# Altium PCB EPS Subsystem.PcbDoc
Units mil, origin at the board's own origin, x right, y up, seen from the top; angles counter-clockwise.
Board outline 3757.87 x 3555.12 mil, 4 copper layers (Top Layer, Ground, Power, Bottom Layer), stack 64.6 mil thick; 87 components, 75 nets, 387 pads, 0 vias.
Unrouted connection lines stored in the file: 198.
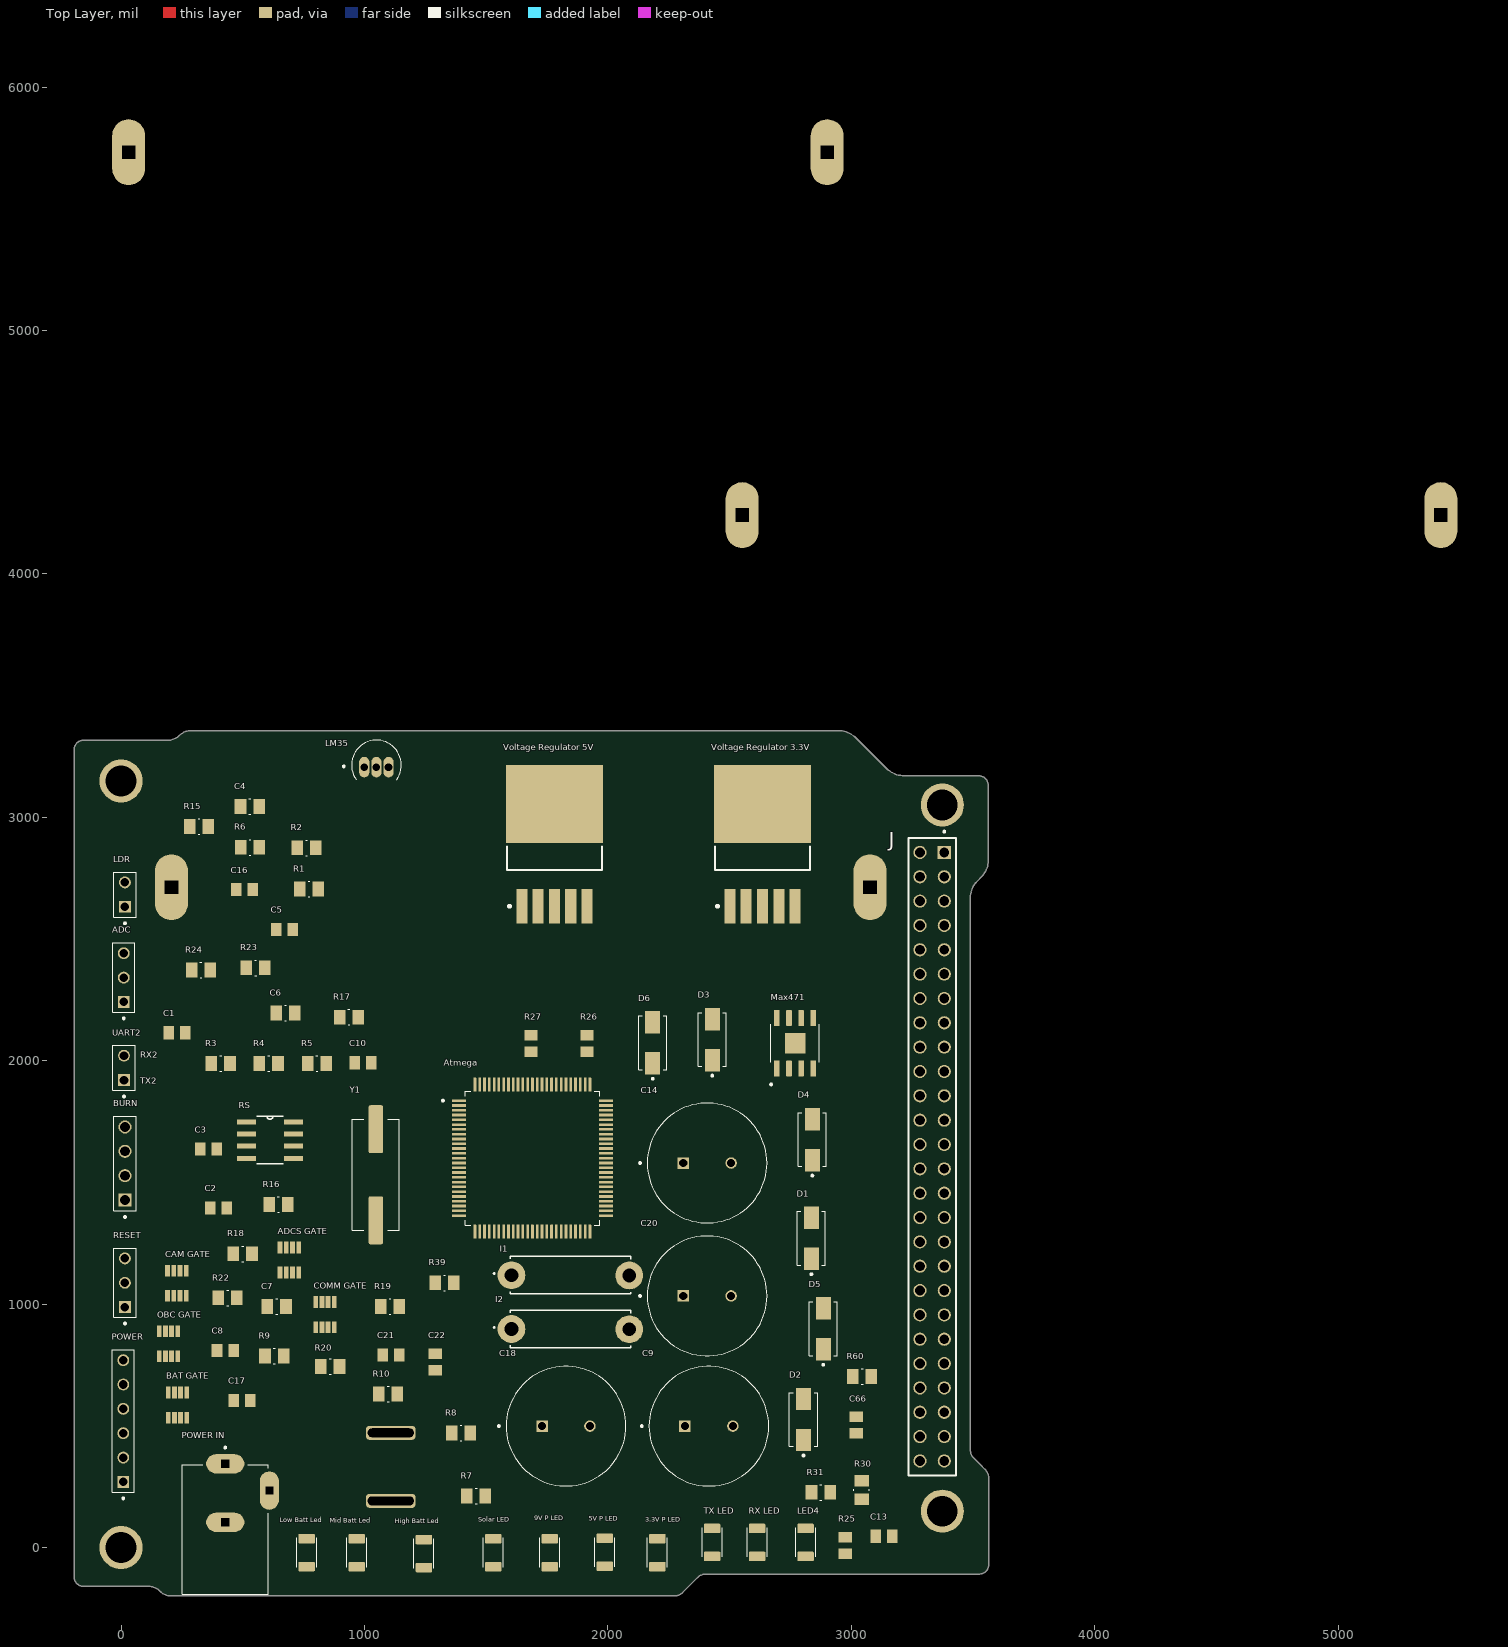
[diagram p0: Top Layer view]
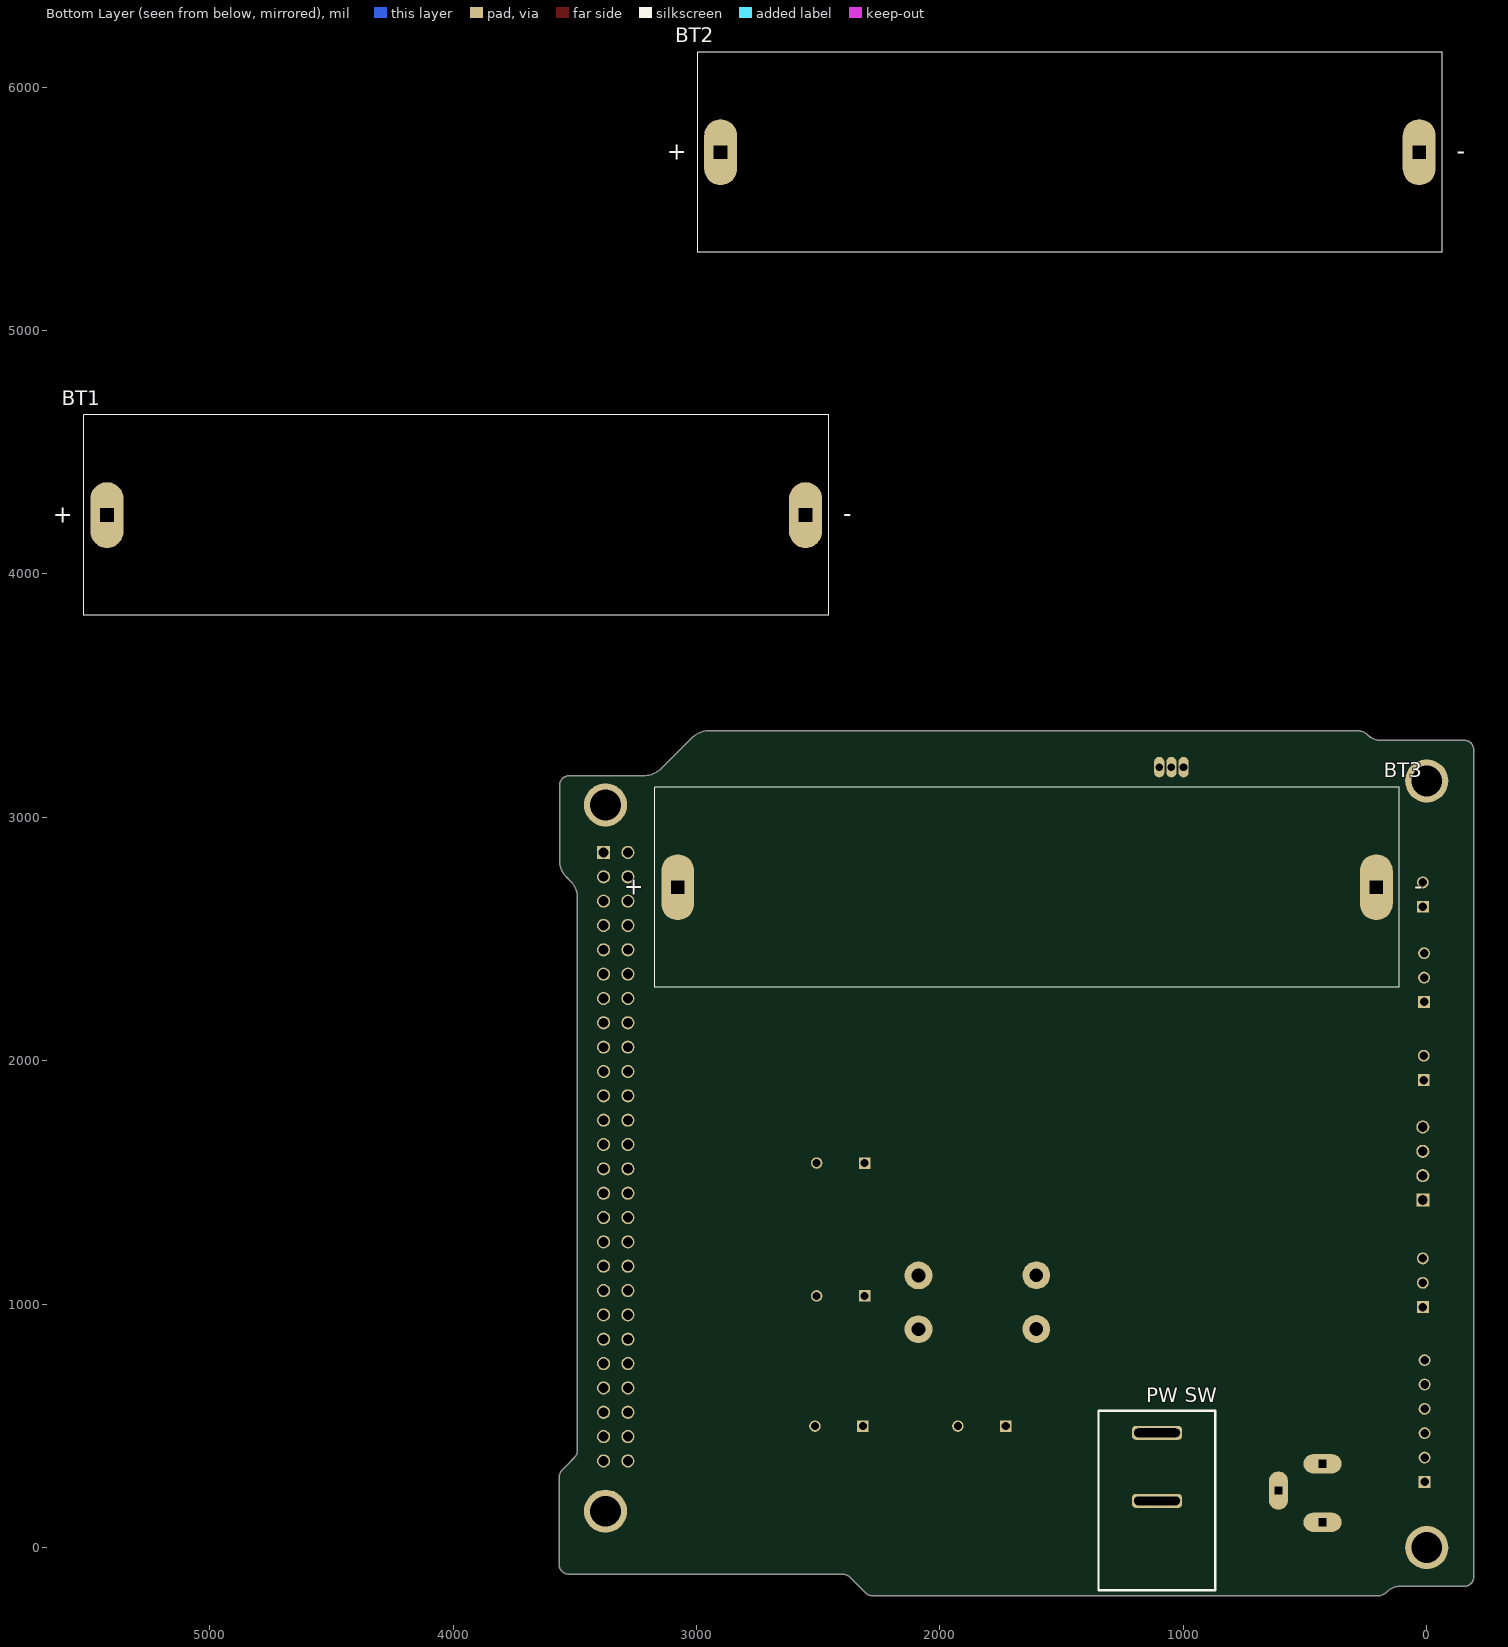
[diagram p1: Bottom Layer view, seen from below]
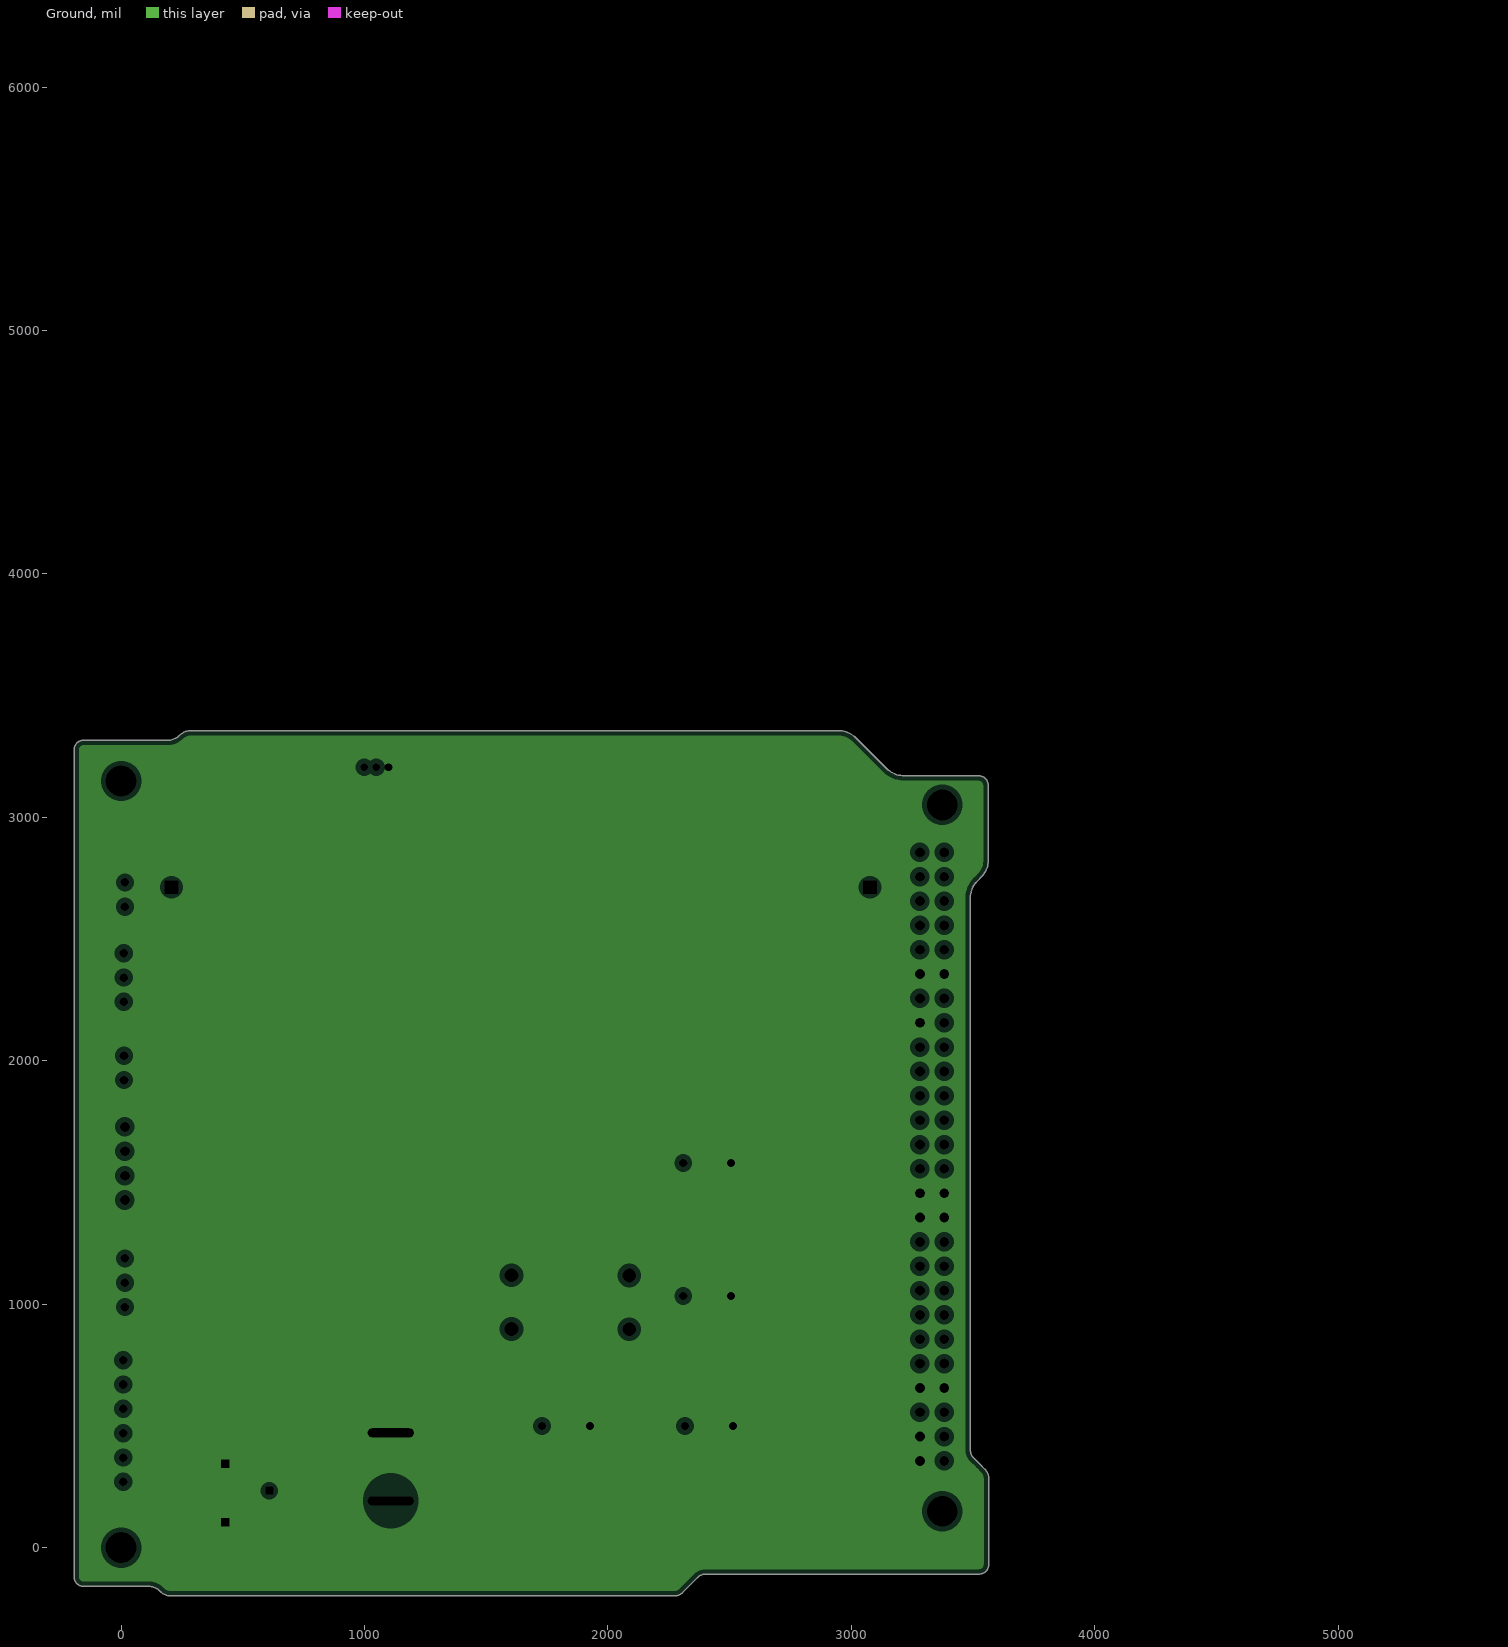
[diagram p2: Ground, clearances drawn from the general rule]
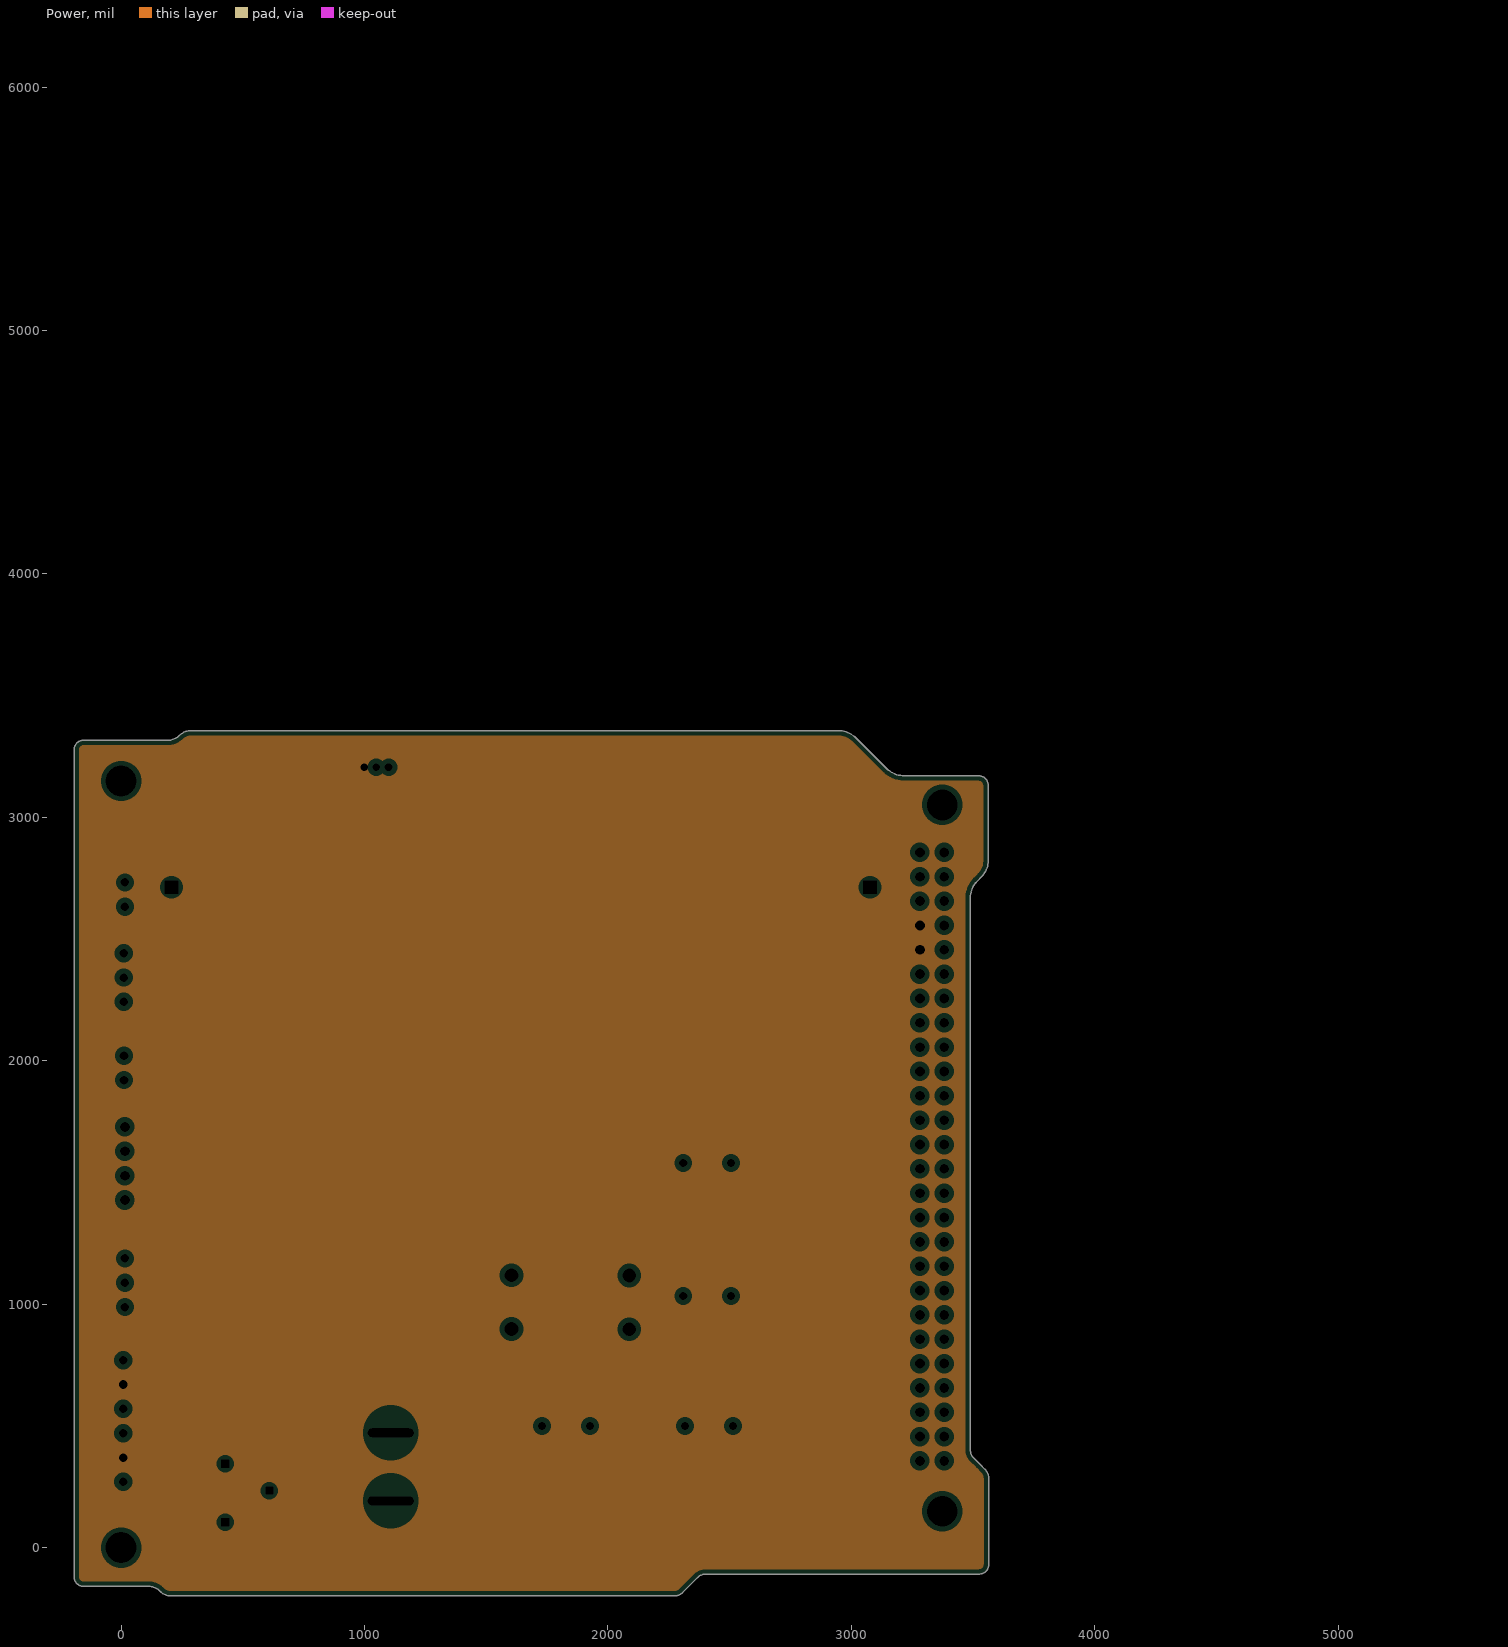
[diagram p3: Power, clearances drawn from the general rule]

## Layer stack, top to bottom
Top Solder: solder mask 0.4, Solder Resist, Dk 3.5
Top Layer: signal copper 1.4
Dielectric 1: prepreg 6.7, FR-4, Dk 4.35
Ground: plane copper 0.7, net G
Dielectric 3: core 47, FR-4, Dk 4.35
Power: plane copper 0.7, net 5V
Dielectric 2: prepreg 6.7, FR-4, Dk 4.35
Bottom Layer: signal copper 1.4
Bottom Solder: solder mask 0.4, Solder Resist, Dk 3.5

## Board outline
114.17,-159.45 cw(c114.17,-223.13) 159.2,-178.1 161.27,-180.17 ccw(c206.3,-135.14) 206.3,-198.82 2272.83,-198.82 ccw(c2272.83,-150.82) 2306.78,-184.76 2368.42,-123.11 cw(c2402.36,-157.05) 2402.36,-109.06 3525.2,-109.06 ccw(c3525.2,-69.68) 3564.57,-69.68 3564.57,285.43 ccw(c3513.72,285.43) 3549.67,321.39 3528.54,342.52 3502.04,369.03 cw(c3532.62,399.61) 3489.37,399.61 3489.37,2671.26 cw(c3582.52,2671.26) 3516.65,2737.12 3535.32,2755.79 ccw(c3469.45,2821.65) 3562.6,2821.65 3562.6,3131.5 ccw(c3523.23,3131.5) 3523.23,3170.87 3218.5,3170.87 cw(c3218.5,3276.37) 3143.9,3201.77 3020.27,3325.4 ccw(c2945.67,3250.8) 2945.67,3356.3 287.48,3356.3 ccw(c287.48,3289.09) 239.96,3336.61 cw(c192.44,3384.14) 192.44,3316.93 -153.94,3316.93 ccw(c-153.94,3277.56) -193.31,3277.56 -193.31,-120.08 ccw(c-153.94,-120.08) -153.94,-159.45

## Design rules (kind name [scope] priority, off if disabled: settings)
Clearance [All] p1: gap=7 ignorepadtopadclearanceinfootprint=FALSE except(0: Arc-Hole Track-Hole SMDPad-Hole THPad-Hole Via-Hole Fill-Hole Poly-Hole Region-Hole Text-Hole)
ComponentClearance [All] p1: gap=30 collisioncheckmode=3 verticalgap=30 showdistances=FALSE
DiffPairsRouting [All] p1: maxlimit=10 minlimit=10 mostfreqgap=10 toplayer_minwidth=15 toplayer_maxwidth=15 toplayer_prefwidth=15 bottomlayer_minwidth=15 bottomlayer_maxwidth=15 bottomlayer_prefwidth=15 substack1={0761D619-B0FF-4D42-81BD-1B94FE1A46B2} toplayer_{0761d619-b0ff-4d42-81bd-1b94fe1a46b2}_minwidth=15 toplayer_{0761d619-b0ff-4d42-81bd-1b94fe1a46b2}_maxwidth=15 toplayer_{0761d619-b0ff-4d42-81bd-1b94fe1a46b2}_prefwidth=15 bottomlayer_{0761d619-b0ff-4d42-81bd-1b94fe1a46b2}_minwidth=15 bottomlayer_{0761d619-b0ff-4d42-81bd-1b94fe1a46b2}_maxwidth=15 bottomlayer_{0761d619-b0ff-4d42-81bd-1b94fe1a46b2}_prefwidth=15 maxuncoupledlength=500
HoleSize [All] p1: absolutevalues=TRUE maxlimit=130 minlimit=1 maxpercent=80.000 minpercent=20.000
HoleToHoleClearance [All] p1: gap=6 allowstackedmicrovias=TRUE
MinimumSolderMaskSliver [All] p1: minsoldermaskwidth=3
PlaneClearance [All] p1: clearance=20
PlaneConnect [All] p1: planeconnectstyle=Relief reliefexpansion=20 reliefentries=4 reliefconductorwidth=10 reliefairgap=10
PolygonConnect [All] p1: connectstyle=Relief reliefconductorwidth=10 reliefentries=4 polygonreliefangle="90 Angle" airgapwidth=10
RoutingVias [All] p1: holewidth=12 width=24 viastyle="Through Hole" minholewidth=10 minwidth=10 maxholewidth=12 maxwidth=24
SilkToSilkClearance [All] p1: silktosilkclearance=4
SilkToSolderMaskClearance [IsPad] p1: minsilkscreentomaskgap=4 clearancetoexposedcopper=TRUE
SolderMaskExpansion [All] p1: expansion=3 istentingtop=FALSE
Width [All] p1: maxlimit=40 minlimit=10 preferedwidth=12 substack1={0761D619-B0FF-4D42-81BD-1B94FE1A46B2} toplayer_{0761d619-b0ff-4d42-81bd-1b94fe1a46b2}_minwidth=7 bottomlayer_{0761d619-b0ff-4d42-81bd-1b94fe1a46b2}_minwidth=7 minimp=50.000000 maximp=50.000000 favimp=50.000000
21 further rules are at their usual default settings.

## Components (designator, comment, footprint, x,y, rotation, side; value= is the part's Value field where it differs from the comment)
"3.3V P LED" "(1206) RED" RESC3015X65-01 2203,-20 r90 top
"5V P LED" "(1206) Blue" RESC3015X65-01 1987,-19 r90 top
"9V P LED" "(1206) white" RESC3015X65-01 1761,-20 r90 top
ADC "3 Position PinHeader 1Row" TE_3-103327-3 11,2242 r90 top
"ADCS GATE" "LTC4361" LTC4361 653.41,1129.85 r90 top
Atmega "ATMEGA2560-16AU" QFP50P1600X1600X120-100N 1690,1600 r0 top locked
"BAT GATE" "LTC4361" LTC4361 193.41,534 r90 top
BT1 "3.7V Battery Holder 1 Slot" BAT_BH-18650-PC 3987,4242 r0 bottom
BT2 "3.7V Battery Holder 1 Slot" BAT_BH-18650-PC 1466,5733 r0 bottom
BT3 "3.7V Battery Holder 1 Slot" BAT_BH-18650-PC 1642,2713 r0 bottom
BURN "4 Position PinHeader 1Row" TE_3-644456-4 16,1428 r90 top
C1 "(0805) 100nf" CAPC2012X95N-0 229,2115 r0 top
C2 "(0805) 100nf" CAPC2012X95N-0 401,1395 r0 top
C3 "(0805) 100nf" CAPC2012X95N-0 360,1637 r0 top
C4 "(1206) 22pF" CAPC3216X125N0 528,3047 r0 top
C5 "(0805) 100nF" CAPC2012X95N-0 671,2539 r0 top
C6 "(1206) 22pF" CAPC3216X125N0 675,2198 r0 top
C7 "(1206) 22pF" CAPC3216X125N0 638.69,992.18 r0 top
C8 "(0805) 100nf" CAPC2012X95N-0 428,810 r0 top
C9 "220uF" CAPPRD500W60D1250H2500 2415,499 r0 top
C10 "(0805) 1uF" CAPC2012X95N-0 993.69,1992.18 r0 top
C13 "(0805) 1uF" CAPC2012X95N-0 3134,47 r0 top
C14 "330uF" CAPPRD500W60D1250H2500 2408,1580 r0 top
C16 "(0805) 1uF" CAPC2012X95N-0 506.69,2703.18 r0 top
C17 "(0805) 1uF" CAPC2012X95N-0 496,604 r0 top
C18 "330uF" CAPPRD500W60D1250H2500 1827.8,499 r0 top
C20 "220uF" CAPPRD500W60D1250H2500 2408,1034 r0 top
C21 "(0805) 1uF" CAPC2012X95N-0 1108.69,791.18 r0 top
C22 "(0805) 1uF" CAPC2012X95N-0 1290.69,762.18 r90 top
C66 "(0805) 100nF" CAPC2012X95N-0 3020,503 r90 top
"CAM GATE" "LTC4361" LTC4361 191,1034 r90 top
"COMM GATE" "LTC4361" LTC4361 799.41,905.85 r90 top
D1 "SMD Schottky diode 5A/40V" DIOM5227X270N 2836,1271 r90 top
D2 "SMD Schottky diode 5A/40V" DIOM5227X270N 2804,526 r90 top
D3 "SMD Schottky diode 5A/40V" DIOM5227X270N 2429,2086.75 r90 top
D4 "SMD Schottky diode 5A/40V" DIOM5227X270N 2840,1676 r90 top
D5 "SMD Schottky diode 5A/40V" DIOM5227X270N 2885,899 r90 top
D6 "SMD Schottky diode 5A/40V" DIOM5227X270N 2184,2074 r90 top
"High Batt Led" "(1206) Green" RESC3015X65-01 1244,-24 r90 top
I1 "47uH" IND 1805.2,2974 r0 top
I2 "47uH" IND 1805.2,2753 r0 top
J "52 Position Elevated Socket Connector" SAMTEC_ESQ-126-39-G-D 3382.01,2855.98 r90 top locked
LDR "2 Position PinHeader" TE_2-103327-2 16.71,2681 r90 top
LED4 "(1206) Green" RESC3015X65-01 2812,22 r90 top
LM35 "Temperature Sensor" TO92127P521H735-4 1049,3237 r0 top
"Low Batt Led" "(1206) Yellow" RESC3015X65-01 762,-20 r90 top
Max471 "MAX471 IC" SOIC127P600X168-8N 2769,2072 r90 top
"Mid Batt Led" "(1206) RED" RESC3015X65-01 968.14,-20 r90 top
"OBC GATE" "LTC4361" LTC4361 156.41,786 r90 top
POWER "6 Position PinHeader 1Row" TE_6-146285-6 9,270 r90 top
"POWER IN" "Power Socket" GRAVITECH_CON-SOCJ-2155 428,104 r90 top
"PW SW" "2 PIN Rocker Switch -SPST on off 6A KCD101" "2 PIN Rocker Switch -SPST ON-OFF 6A KCD101" 868,-175.9 r90 bottom
R1 "(1206) 10k" CAPC3216X125N0 771,2707 r0 top
R2 "(1206) 510K" CAPC3216X125N0 761,2877 r0 top
R3 "(1206) 120" CAPC3216X125N0 408.69,1990.18 r0 top
R4 "(1206) 10K" CAPC3216X125N0 605.69,1990.18 r0 top
R5 "(1206) 10K" CAPC3216X125N0 803.69,1990.18 r0 top
R6 "(1206) 65" CAPC3216X125N0 529,2879 r0 top
R7 "(1206) 150" CAPC3216X125N0 1458,214 r0 top
R8 "(1206) 150" CAPC3216X125N0 1396,473 r0 top
R9 "(1206) 150" CAPC3216X125N0 628.69,789.18 r0 top
R10 "(1206) 150" CAPC3216X125N0 1096.41,632.87 r0 top
R15 "(1206) 300" CAPC3216X125N0 319.41,2963.87 r0 top
R16 "(1206) 10K" CAPC3216X125N0 645.41,1410.87 r0 top
R17 "(1206) 3.3K" CAPC3216X125N0 935.16,2180.87 r0 top
R18 "(1206) 10K" CAPC3216X125N0 499,1209 r0 top
R19 "(1206) 5.6K" CAPC3216X125N0 1104,993 r0 top
R20 "(1206) 330" CAPC3216X125N0 858.41,745.87 r0 top
R22 "(1206) 510K" CAPC3216X125N0 437,1028 r0 top
R23 "(1206) 300" CAPC3216X125N0 552,2384 r0 top
R24 "(1206) 85" CAPC3216X125N0 327,2375 r0 top
R25 "(0805) 100K" CAPC2012X95N-0 2975,9 r90 top
R26 "(0805) 1K" CAPC2012X95N-0 1913.69,2071.18 r90 top
R27 "(0805) 1K" CAPC2012X95N-0 1683.69,2071.18 r90 top
R30 "(1206) 150" CAPC3216X125N0 3041,236.02 r90 top
R31 "(1206) 85" CAPC3216X125N0 2874,229 r0 top
R39 "(1206) 10K" CAPC3216X125N0 1328.16,1089.87 r0 top
R60 "(1206)330" CAPC3216X125N0 3044,705 r0 top
RESET "3 Position PinHeader 1Row" TE_3-103327-3 16,988 r90 top
RS "MAX488ESA+" SOIC127P600X175-8N0 611.69,1674.18 r0 top
"RX LED" "(1206) Blue" RESC3015X65-01 2613,22 r90 top
"Solar LED" "(1206) White" RESC3015X65-01 1528.87,-20 r90 top
"TX LED" "(1206) Green" RESC3015X65-01 2428,22 r90 top
UART2 "2 Position PinHeader" TE_2-103327-2 12.71,1969 r90 top
"Voltage Regulator 3.3V" "Voltage Regulator" TO-263-5 2635.14,2889.65 r90 top
"Voltage Regulator 5V" "Voltage Regulator" TO-263-5 1780.55,2889.65 r90 top
Y1 "Crystal-16MHZ" XTAL1140X490X430N-0 1048,1532 r90 top

## Footprints (in the part's own frame and the unit in brackets; to place one, negate y for a bottom-side part, rotate by r counter-clockwise, add the part's x,y. Pads: shape width x height; smd on the part's side, far side on the other; paste and mask are expansions set on the pad)
"2 PIN Rocker Switch -SPST ON-OFF 6A KCD101" [mm]
  rrect50% 1.45x5.2 hole 0.9 slot 4.8 at 90 deg: 0(9.345,6.096) 1(16.445,6.096)
  silkscreen extent 0,0 18.76,12.2, body extent 2.98,0.88 18.04,11.38, height 12.51
BAT_BH-18650-PC [mm]
  oval 3.44x6.88 hole 1.38 square: N(-36.45,0) P(36.45,0)
  silkscreen extent -38.85,-10.45 38.85,10.45, body extent -38.72,-10.45 38.98,10.45, height 21.31
CAPC2012X95N-0 [mm]
  rect 1.1x1.38 smd: 1(-0.863,0) 2(0.863,0)
  body extent -1.6,-0.8 1.6,0.8, height 1.2
CAPC3216X125N0 [mm]
  rect 1.21x1.55 smd: 1(-0.95,-0.048) 2(0.987,-0.048)
  silkscreen extent -0.08,-0.86 0.12,0.76, body extent -1.58,-0.84 1.62,0.76, height 1.25
CAPPRD500W60D1250H2500 [mm]
  round 1.2 hole 0.85: N(2.5,0)
  rect 1.2x1.2 hole 0.85: P(-2.5,0)
  silkscreen extent -7.1,-6.25 6.25,6.25, body extent -6.25,-6.25 6.25,6.25, height 25
DIOM5227X270N [mm]
  rect 2.33x1.56 smd: A(2.14,0) C(-2.14,0)
  silkscreen extent -3.85,-1.48 2.8,1.48, body extent -2.6,-1.36 2.6,1.36, height 2.7
GRAVITECH_CON-SOCJ-2155 [mm]
  oval 2x4 hole 0.8 square: 1(6.1,0) 3(0,0)
  oval 4x2 hole 0.8 square: 2(3.3,-4.6)
  silkscreen extent -7.5,-4.5 7.9,4.5, body extent -7.56,-4.57 6.54,4.68, height 11.1
IND [mil]
  round 114 hole 57: 1(-201.2,-1855) 2(282.8,-1856)
  silkscreen extent -275,-1932 288,-1778, body extent -172,-1912 253,-1794, height 118
LTC4361 [mm]
  rect 1.22x0.5 smd mask+0.04: 1(0,0) 1(0,-0.65) 1(0,-1.3) 1(0,-1.95) 1(2.62,-1.95) 1(2.62,-1.3) 1(2.62,-0.65) 1(2.62,0)
  body extent -0.1,-2.42 2.7,0.48, height 0.9
QFP50P1600X1600X120-100N [mm]
  rrect25% 1.47x0.28 smd mask+0.049: 1(-7.67,6) 2(-7.67,5.5) 3(-7.67,5) 4(-7.67,4.5) 5(-7.67,4) 6(-7.67,3.5) 7(-7.67,3) 8(-7.67,2.5) 9(-7.67,2) 10(-7.67,1.5) 11(-7.67,1) 12(-7.67,0.5) 13(-7.67,0) 14(-7.67,-0.5) 15(-7.67,-1) 16(-7.67,-1.5) 17(-7.67,-2) 18(-7.67,-2.5) 19(-7.67,-3) 20(-7.67,-3.5) 21(-7.67,-4) 22(-7.67,-4.5) 23(-7.67,-5) 24(-7.67,-5.5) 25(-7.67,-6) 51(7.67,-6) 52(7.67,-5.5) 53(7.67,-5) 54(7.67,-4.5) 55(7.67,-4) 56(7.67,-3.5) 57(7.67,-3) 58(7.67,-2.5) 59(7.67,-2) 60(7.67,-1.5) 61(7.67,-1) 62(7.67,-0.5) 63(7.67,0) 64(7.67,0.5) 65(7.67,1) 66(7.67,1.5) 67(7.67,2) 68(7.67,2.5) 69(7.67,3) 70(7.67,3.5) 71(7.67,4) 72(7.67,4.5) 73(7.67,5) 74(7.67,5.5) 75(7.67,6)
  rrect25% 0.28x1.47 smd mask+0.049: 26(-6,-7.67) 27(-5.5,-7.67) 28(-5,-7.67) 29(-4.5,-7.67) 30(-4,-7.67) 31(-3.5,-7.67) 32(-3,-7.67) 33(-2.5,-7.67) 34(-2,-7.67) 35(-1.5,-7.67) 36(-1,-7.67) 37(-0.5,-7.67) 38(0,-7.67) 39(0.5,-7.67) 40(1,-7.67) 41(1.5,-7.67) 42(2,-7.67) 43(2.5,-7.67) 44(3,-7.67) 45(3.5,-7.67) 46(4,-7.67) 47(4.5,-7.67) 48(5,-7.67) 49(5.5,-7.67) 50(6,-7.67) 76(6,7.67) 77(5.5,7.67) 78(5,7.67) 79(4.5,7.67) 80(4,7.67) 81(3.5,7.67) 82(3,7.67) 83(2.5,7.67) 84(2,7.67) 85(1.5,7.67) 86(1,7.67) 87(0.5,7.67) 88(0,7.67) 89(-0.5,7.67) 90(-1,7.67) 91(-1.5,7.67) 92(-2,7.67) 93(-2.5,7.67) 94(-3,7.67) 95(-3.5,7.67) 96(-4,7.67) 97(-4.5,7.67) 98(-5,7.67) 99(-5.5,7.67) 100(-6,7.67)
  silkscreen extent -9.44,-7 7,7, body extent -8,-8 8,8, height 1.12
RESC3015X65-01 [mm]
  rrect20% 0.98x1.72 smd: 1(-1.479,-0.004) 2(1.441,-0.004)
  silkscreen extent -1.54,-1.04 1.52,1.04, body extent -1.63,-0.8 1.57,0.8, height 1.1
SAMTEC_ESQ-126-39-G-D [mm]
  rect 1.37x1.37 hole 1.02: 01(0,0)
  round 1.37 hole 1.02: 02(0,2.54) 03(-2.54,0) 04(-2.54,2.54) 05(-5.08,0) 06(-5.08,2.54) 07(-7.62,0) 08(-7.62,2.54) 09(-10.16,0) 10(-10.16,2.54) 11(-12.7,0) 12(-12.7,2.54) 13(-15.24,0) 14(-15.24,2.54) 15(-17.78,0) 16(-17.78,2.54) 17(-20.32,0) 18(-20.32,2.54) 19(-22.86,0) 20(-22.86,2.54) 21(-25.4,0) 22(-25.4,2.54) 23(-27.94,0) 24(-27.94,2.54) 25(-30.48,0) 26(-30.48,2.54) 27(-33.02,0) 28(-33.02,2.54) 29(-35.56,0) 30(-35.56,2.54) 31(-38.1,0) 32(-38.1,2.54) 33(-40.64,0) 34(-40.64,2.54) 35(-43.18,0) 36(-43.18,2.54) 37(-45.72,0) 38(-45.72,2.54) 39(-48.26,0) 40(-48.26,2.54) 41(-50.8,0) 42(-50.8,2.54) 43(-53.34,0) 44(-53.34,2.54) 45(-55.88,0) 46(-55.88,2.54) 47(-58.42,0) 48(-58.42,2.54) 49(-60.96,0) 50(-60.96,2.54) 51(-63.5,0) 52(-63.5,2.54)
  silkscreen extent -65.02,-1.2 2.27,3.75, body extent -65.15,-1.27 1.4,3.81, height 8.51
SOIC127P600X168-8N [mm]
  rrect25% 1.66x0.59 smd: 1(-2.63,1.905) 2(-2.63,0.635) 3(-2.63,-0.635) 4(-2.63,-1.905) 5(2.63,-1.905) 6(2.63,-0.635) 7(2.63,0.635) 8(2.63,1.905)
  rect 2.135x2.135 smd paste-2: 9(0,0)
  silkscreen extent -4.39,-2.52 1.99,2.59, body extent -3,-2.45 3,2.45, height 1.75
SOIC127P600X175-8N0 [mil]
  rect 78x21 smd: 1(-97,75) 2(-97,25) 3(-97,-25) 4(-97,-75) 5(97,-75) 6(97,-25) 7(97,25) 8(97,75)
  silkscreen extent -55,-98 55,98, body extent -124,-97 113,95, height 67
TE_2-103327-2 [mm]
  rect 1.24x1.24 hole 0.89: 1(-1.227,0.018)
  round 1.24 hole 0.89: 2(1.313,0.018)
  silkscreen extent -3.05,-1.15 2.38,1.19, body extent -2.32,-1.11 2.36,1.22, height 5.84
TE_3-103327-3 [mm]
  rect 1.24x1.24 hole 0.89: 1(0,0)
  round 1.24 hole 0.89: 2(2.54,0) 3(5.08,0)
  silkscreen extent -1.82,-1.17 6.15,1.17, body extent -1.31,-1.2 6.31,1.21, height 8.18
TE_3-644456-4 [mm]
  rect 1.37x1.37 hole 1.02: 1(0,0)
  round 1.37 hole 1.02: 2(2.54,0) 3(5.08,0) 4(7.62,0)
  silkscreen extent -1.87,-1.17 8.74,1.17, body extent -1.14,-1.14 8.72,1.19, height 10.03
TE_6-146285-6 [mm]
  rect 1.24x1.24 hole 0.89: 1(0,0)
  round 1.24 hole 0.89: 2(2.54,0) 3(5.08,0) 4(7.62,0) 5(10.16,0) 6(12.7,0)
  silkscreen extent -1.82,-1.17 13.77,1.17, body extent -1.07,-1.14 13.77,1.14, height 8.1
TO92127P521H735-4 [mm]
  oval 1.07x2.14 hole 0.8: 1(-1.27,-0.775) 2(0,-0.775) 3(1.27,-0.775)
  silkscreen extent -3.5,-2.08 2.6,2.04, body extent -2.4,-2.29 2.39,1.64, height 5.69
TO-263-5 [mm] "D2-PAK, 6-Pads, Body 8,9x9,9mm (max), IPC Low Density"
  rect 3.6x1.15 smd: 1(-6.45,3.4) 2(-6.45,1.7) 3(-6.45,0) 4(-6.45,-1.7) 5(-6.45,-3.4)
  rect 8.1x10.15 smd paste-5: 6(4.2,0)
  silkscreen extent -6.6,-4.95 -0.25,4.95, body extent -7.31,-5.08 7.33,5.08, height 4.57
XTAL1140X490X430N-0 [mm]
  rrect25% 5.01x1.51 smd: 1(-4.757,0.04) 2(4.743,0.04)
  silkscreen extent -5.81,-2.41 5.79,2.49, body extent -6.62,-2.35 6.58,2.45, height 4.3

## Part data
"3.3V P LED" "5V P LED" "9V P LED" "High Batt Led" LED4 "Low Batt Led" "Mid Batt Led" "RX LED" "Solar LED" "TX LED": library part "LED 1206", "LED SMD 1206 High Quality Forward Voltage: 3.2 V / Brightness: 700 mcd", Emitting Color=Amber, Forward Voltage=2V, Manufacturer="Wurth Elektronik", Manufacturer Part Number=150060AS75003, Operating Temperature max.=100C, Operating Temperature min.=-40C, Chip Technology=AlInGaP, ComponentLink1Description="Manufacturer Link", ComponentLink1URL=http://www.we-online.de, ComponentLink2Description=Datasheet, ComponentLink2URL=https://www.we-online.com/catalog/datasheet/150060AS75003.pdf, Dominant Wavelength=605nm, Height=0.7mm, Length=1.6mm, Luminous Intensity=350mcd, Mounting Technology=SMT, Packaging="Tape and Reel", Peak Wavelength=610nm, Size=0603, Viewing Angle=140°, Width=0.8mm
ADC RESET: "Conn Unshrouded Header HDR 3 POS 2.54mm Solder ST Thru-Hole Carton", Package=None, Availability=Unavailable, EU_RoHS_Compliance=Compliant, MF="TE Connectivity", MP=4-103327-5, Price=None, SnapEDA_Link=https://www.snapeda.com/parts/4-103327-5/TE%20Connectivity%20AMP%20Connectors/view-part/2403997/?ref=snap, TE_purchase_URL=https://www.te.com/usa-en/product-4-103327-5.html?te_bu=Cor&te_type=disp&te_campaign=seda_glo_cor-seda-global-disp-prtnr-fy19-seda-model-bom-cta_sma-317_1&elqCampaignId=32493
Atmega: Package=None, Availability=Unavailable, MP=ATMEGA2560-16AU, Price=None
BT1 BT2 BT3: "Battery Holder _Open_ 18650 1 Cell PC Pin", Package="DFN-8 Memory Protection Devices", Availability=Unavailable, MF="MPD _Memory", MP=BH-18650-PC, Price=None, SnapEDA_Link=https://www.snapeda.com/parts/BH-18650-PC/MPD%20%28Memory%20Protection%20Devices%29/view-part/779074/?ref=snap
BURN: "Conn Unshrouded Header HDR 4 POS 2.54mm Solder ST Thru-Hole Bag/Box", Package=None, Availability=Warning, Centerline_Pitch="2.54 mm[.1 in]", DigiKey-Purchase-URL=https://snapeda.com/shop?store=DigiKey&id=482664, EU_RoHS_Compliance=Compliant, MF="TE Connectivity", Mouser-Purchase-URL=https://snapeda.com/shop?store=Mouser&id=482664, MP=3-644456-4, Number_of_Positions=4, Price=None, Product_Type=Connector, SnapEDA_Link=https://www.snapeda.com/parts/3-644456-4/TE%20Connectivity%20AMP%20Connectors/view-part/482664/?ref=snap
C1 C2 C3 C5 C8 C10 C13 C16 C17 C21 C22 C66: library part "Capacitor 0805", "UMK212SD103KD-T/CAP CER 10000PF 50V 0805", Package=None, Availability=Unavailable, MP=UMK212SD103KD-T, Price=None
C4 C6 C7: library part "Capacitor 1206", "UMF316B7103KFHT/1206 Capacitor", Package=None, Availability=Unavailable, MP=UMF316B7103KFHT, Price=None
C9 C14 C18 C20: library part "Aluminum Electrolytic Capacitor", "Aluminum Electrolytic Capacitors - Radial Leaded 47uF 250volts AEC-Q200", Package="RADIAL-2 Panasonic", Availability="In Stock", Check_prices=https://www.snapeda.com/parts/EEUEB2E470B/Panasonic/view-part/?ref=eda, MF=Panasonic, MP=EEUEB2E470B, Price=None, SnapEDA_Link=https://www.snapeda.com/parts/EEUEB2E470B/Panasonic/view-part/?ref=snap
D1 D2 D3 D4 D5 D6: "S1 Series 1000 V 1 A 1 uA Surface Mount General Purpose Rectifier - DO-214AC", Package=None, Availability=Unavailable, MP=S1M, Price=None
I1 I2: library part "Inductor DIP"
J: "ESQ-126-39-G-D/52 Position Elevated Socket Connector Through Hole", Package=None, Availability=Unavailable, MF=Samtec, MP=ESQ-126-39-G-D, Price=None, SnapEDA_Link=https://www.snapeda.com/parts/ESQ-126-39-G-D/Samtec%20Inc./view-part/490181/?ref=snap
LDR UART2: "Cabezal del conector Agujero pasante 2 posiciones 0,100 (2,54 mm)", Package=None, Availability=Warning, Check_prices=https://www.snapeda.com/parts/4-103327-4/TE%20Connectivity%20AMP%20Connectors/view-part/2403998/?ref=eda, EU_RoHS_Compliance=Compliant, MF="TE Connectivity", MP=4-103327-4, Price=None, Purchase-URL=https://pricing.snapeda.com/search/part/4-103327-4/?ref=eda, SnapEDA_Link=https://www.snapeda.com/parts/4-103327-4/TE%20Connectivity%20AMP%20Connectors/view-part/2403998/?ref=snap
LM35: library part "LM35DZ/NOPB/Temperature Sensor", "LM35DZ/NOPB/Temperature Sensor Analog, Local 0Â°C ~ 100Â°C 10mV/Â°C TO-92-3", Package="E-PKG AXIAL-LEADED-2 ON Semiconductor", Availability="Not in stock", Check_prices=https://www.snapeda.com/parts/LM35DZ/Texas+Instruments/view-part/?ref=eda, MF="Texas Instruments", MP=LM35DZ, Price=None, SnapEDA_Link=https://www.snapeda.com/parts/LM35DZ/Texas+Instruments/view-part/?ref=snap
POWER: "Connector Header Through Hole 6 position 0.100 (2.54mm)", Package=None, Digi-Key_Part_Number=A122872-ND, DigiKey-Purchase-URL=https://snapeda.com/shop?store=DigiKey&id=2411669, EU_RoHS_Compliance=Compliant, MF="TE Connectivity", MP=5-146285-6, SnapEDA_Link=https://www.snapeda.com/parts/5-146285-6/TE%20Connectivity%20AMP%20Connectors/view-part/2411669/?ref=snap
"POWER IN": "CON-SOCJ-2155\DC Power Connectors Power Jack/Connector 2.1mm x 5.5mm", Package=None, Availability=Unavailable, MP=CON-SOCJ-2155, Price=None
R1 R2 R3 R4 R5 R6 R7 R8 R9 R10 R15 R16 R17 R18 R19 R20 R22 R23 R24 R30 R31 R39 R60: library part "Resistor 1206"
R25 R26 R27: library part "Resistor 0805"
RS: "1/1 Transceiver Full RS422, RS485 8-SOIC", Package="SOIC-8 Maxim", Availability=Unavailable, MF="Maxim Integrated", MP=MAX488ESA+T, Price=None, SnapEDA_Link=https://www.snapeda.com/parts/MAX488ESA+T/Maxim%20Integrated/view-part/48834/?ref=snap
"Voltage Regulator 3.3V" "Voltage Regulator 5V": "TO-263-5/XL4015E1 5A 75W Adjustable DC/DC STEP DOWN CONVERTER Regulator IC SMD"

## Free pads (board coordinates)
  round 177.17 hole 125.98 unplated: 1(0,0) 2(0,3149.61) 3(3374.01,3051.18) 4(3374.01,149.61)

## Nets (pads, with @x,y where several pads share a name; then routed paths per layer and width w, separated by ;. In a path a pad name is that pad's centre, name@x,y a point inside that pad or via, vN(x,y) a via of type N, cw(c..) or ccw(c..) an arc to the next point about the centre after c; other vN are vias at no path point)
3.3V: D6.C J.20 POWER.3 POWER.4 R6.1
5V: Atmega.10 Atmega.31 Atmega.61 Atmega.80 Atmega.100 C1.2 C2.2 C3.2 C8.1 C66.2 D4.C J.08 J.10 LM35.1 POWER.2 POWER.5 R1.1 R4.1 R5.1 R24.1 R25.2 R30.1 R31.1 RS.1
9V: "Voltage Regulator 3.3V.5" "Voltage Regulator 5V.5" C9.P C10.1 C16.1 C20.P C21.1 C22.1 D2.C J.14 POWER.1 POWER.6 R23.1
\: BT1.P D1.C D2.A J.49 J.51 Max471.2 Max471.3
AREF: Atmega.98 C5.2
CE: Atmega.18
G: "3.3V P LED.2" "5V P LED.2" "9V P LED.2" "ADCS GATE.1" "BAT GATE.1" "CAM GATE.1" "COMM GATE.1" "High Batt Led.2" "Low Batt Led.2" "Mid Batt Led.2" "OBC GATE.1" "POWER IN.1" "POWER IN.3" "PW SW.1" "Solar LED.2" "Voltage Regulator 3.3V.1" "Voltage Regulator 5V.1" Atmega.11 Atmega.32 Atmega.62 Atmega.81 Atmega.99 C1.1 C2.1 C3.1 C4.1 C5.1 C6.1 C7.1 C8.2 C9.N C10.2 C13.2 C14.N C17.2 C18.N C20.N C21.2 C66.1 D3.A D5.A J.11 J.12 J.16 J.29 J.30 J.31 J.32 J.45 J.46 J.50 J.52 LED4.2 LM35.3 Max471.1 Max471.4 R17.1 R20.1 R27.1 R39.1 R60.2 RS.4
"High Batt Pin": Atmega.1 R9.1
"Low Batt Pin": Atmega.6 R7.1
"Mid Batt Pin": Atmega.7 R8.1
MISO: Atmega.22 BURN.1
MOSI: Atmega.21 BURN.2
N1/P2: BT1.N BT2.P
N2/P3: BT2.N BT3.P
N3: "PW SW.0" BT3.N
"Net3.3V P LED_1": "3.3V P LED.1" R6.2
"Net5V P LED_1": "5V P LED.1" R24.2
"Net9V P LED_1": "9V P LED.1" R23.2
NetC4_2: C4.2 RESET.3
NetC13_1: C13.1 C14.P D6.A I2.2 R18.2
NetC16_2: "Voltage Regulator 5V.4" C16.2
NetC17_1: C17.1 C18.P D4.A I1.2 R16.2
NetC22_2: "Voltage Regulator 3.3V.4" C22.2
NetD1_A: "POWER IN.2" D1.A
NetD3_C: "Voltage Regulator 5V.3" D3.C I1.1
NetD5_C: "Voltage Regulator 3.3V.3" D5.C I2.1
"NetHigh Batt Led_1": "High Batt Led.1" R9.2
NetLDR_2: LDR.2 R39.2
NetLED4_1: LED4.1 R10.2
"NetLow Batt Led_1": "Low Batt Led.1" R7.2
NetMax471_5: Max471.5 R25.1
NetMax471_6: Max471.6 Max471.7 R60.1
"NetMid Batt Led_1": "Mid Batt Led.1" R8.2
NetR1_2: R1.2 RESET.1
NetR2_1: R2.1 R22.2
NetR15_2: "Solar LED.1" R15.2
NetR16_1: "Voltage Regulator 5V.2" R16.1 R17.2
NetR18_1: "Voltage Regulator 3.3V.2" R18.1 R19.2
NetR19_1: R19.1 R20.2
NetR26_1: R26.1 R27.2
NetR30_2: "TX LED.1" R30.2
NetR31_2: "RX LED.1" R31.2
PB4: Atmega.23
PB5: Atmega.24
PB6: Atmega.25
PE3: Atmega.5 R10.1
PF0: ADC.1 Atmega.97 LM35.2
PF1: ADC.2 Atmega.96 LDR.1 Max471.8 R26.2
PF2: ADC.3 Atmega.95
PH4: Atmega.16
PH5: Atmega.17
"RD + (OBC-EPS)": J.01 RS.5
"RD - (OBC-EPS)": J.02 RS.6
RESET: Atmega.30 BURN.4 RESET.2
RXD0: Atmega.2
RXD1: Atmega.45
RXD2: "RX LED.2" Atmega.12 RS.2 UART2.2
RXD3: Atmega.63
SCK: Atmega.20 BURN.3
SCL: Atmega.43 R4.2
SDA: Atmega.44 R5.2
"Solar Array Input": J.24 R15.1
SS: Atmega.19
"TD + (OBC-EPS)": J.03 R3.2 RS.8
"TD - (OBC-EPS)": J.04 R3.1 RS.7
TXD0: Atmega.3
TXD1: Atmega.46
TXD2: "TX LED.2" Atmega.13 RS.3 UART2.1
TXD3: Atmega.64
VCC-5V(ADCS): J.28
VCC-5V(CAMERA): J.06
VCC-5V(COMM): J.18
VCC-5V(OBC): J.22
XTAL1: Atmega.34 C7.2 R22.1 Y1.2
XTAL2: Atmega.33 C6.2 R2.2 Y1.1
pads on no net: "Voltage Regulator 3.3V.6" "Voltage Regulator 5V.6" Atmega.4 Atmega.8 Atmega.9 Atmega.14 Atmega.15 Atmega.26 Atmega.27 Atmega.28 Atmega.29 Atmega.35 Atmega.36 Atmega.37 Atmega.38 Atmega.39 Atmega.40 Atmega.41 Atmega.42 Atmega.47 Atmega.48 Atmega.49 Atmega.50 Atmega.51 Atmega.52 Atmega.53 Atmega.54 Atmega.55 Atmega.56 Atmega.57 Atmega.58 Atmega.59 Atmega.60 Atmega.65 Atmega.66 Atmega.67 Atmega.68 Atmega.69 Atmega.70 Atmega.71 Atmega.72 Atmega.73 Atmega.74 Atmega.75 Atmega.76 Atmega.77 Atmega.78 Atmega.79 Atmega.82 Atmega.83 Atmega.84 Atmega.85 Atmega.86 Atmega.87 Atmega.88 Atmega.89 Atmega.90 Atmega.91 Atmega.92 Atmega.93 Atmega.94 J.05 J.07 J.09 J.13 J.15 J.17 J.19 J.21 J.23 J.25 J.26 J.27 J.33 J.34 J.35 J.36 J.37 J.38 J.39 J.40 J.41 J.42 J.43 J.44 J.47 J.48 Max471.9

## Polygon pours and split planes (outlines as drawn)
G on Ground (split plane): 175 vertices, not listed, extent -173.26,-178.78 3544.52,3336.26
5V on Power (split plane): 175 vertices, not listed, extent -173.26,-178.78 3544.52,3336.26

## Silkscreen, mask and mechanical layers (free items; w line width, h text height)
Top Overlay:
  text "RX2" at 79,2013 h25
  text "TX2" at 79,1906 h25

## Text inside footprints (layer, text, board x,y; h text height)
BT1: Bottom Overlay "-" at 2362,4267 h70 r180; Bottom Overlay "+" at 5562,4272 h70 r180; Mechanical 13 "-" at 2362,4267 h70 r180; Mechanical 13 "+" at 5562,4272 h70 r180
BT2: Bottom Overlay "+" at 3041,5763 h70 r180; Bottom Overlay "-" at -159,5758 h70 r180; Mechanical 13 "+" at 3041,5763 h70 r180; Mechanical 13 "-" at -159,5758 h70 r180
BT3: Bottom Overlay "+" at 3217,2743 h70 r180; Bottom Overlay "-" at 17,2738 h70 r180; Mechanical 13 "+" at 3217,2743 h70 r180; Mechanical 13 "-" at 17,2738 h70 r180